# Allegro board com_v1_p3.brd (continued)
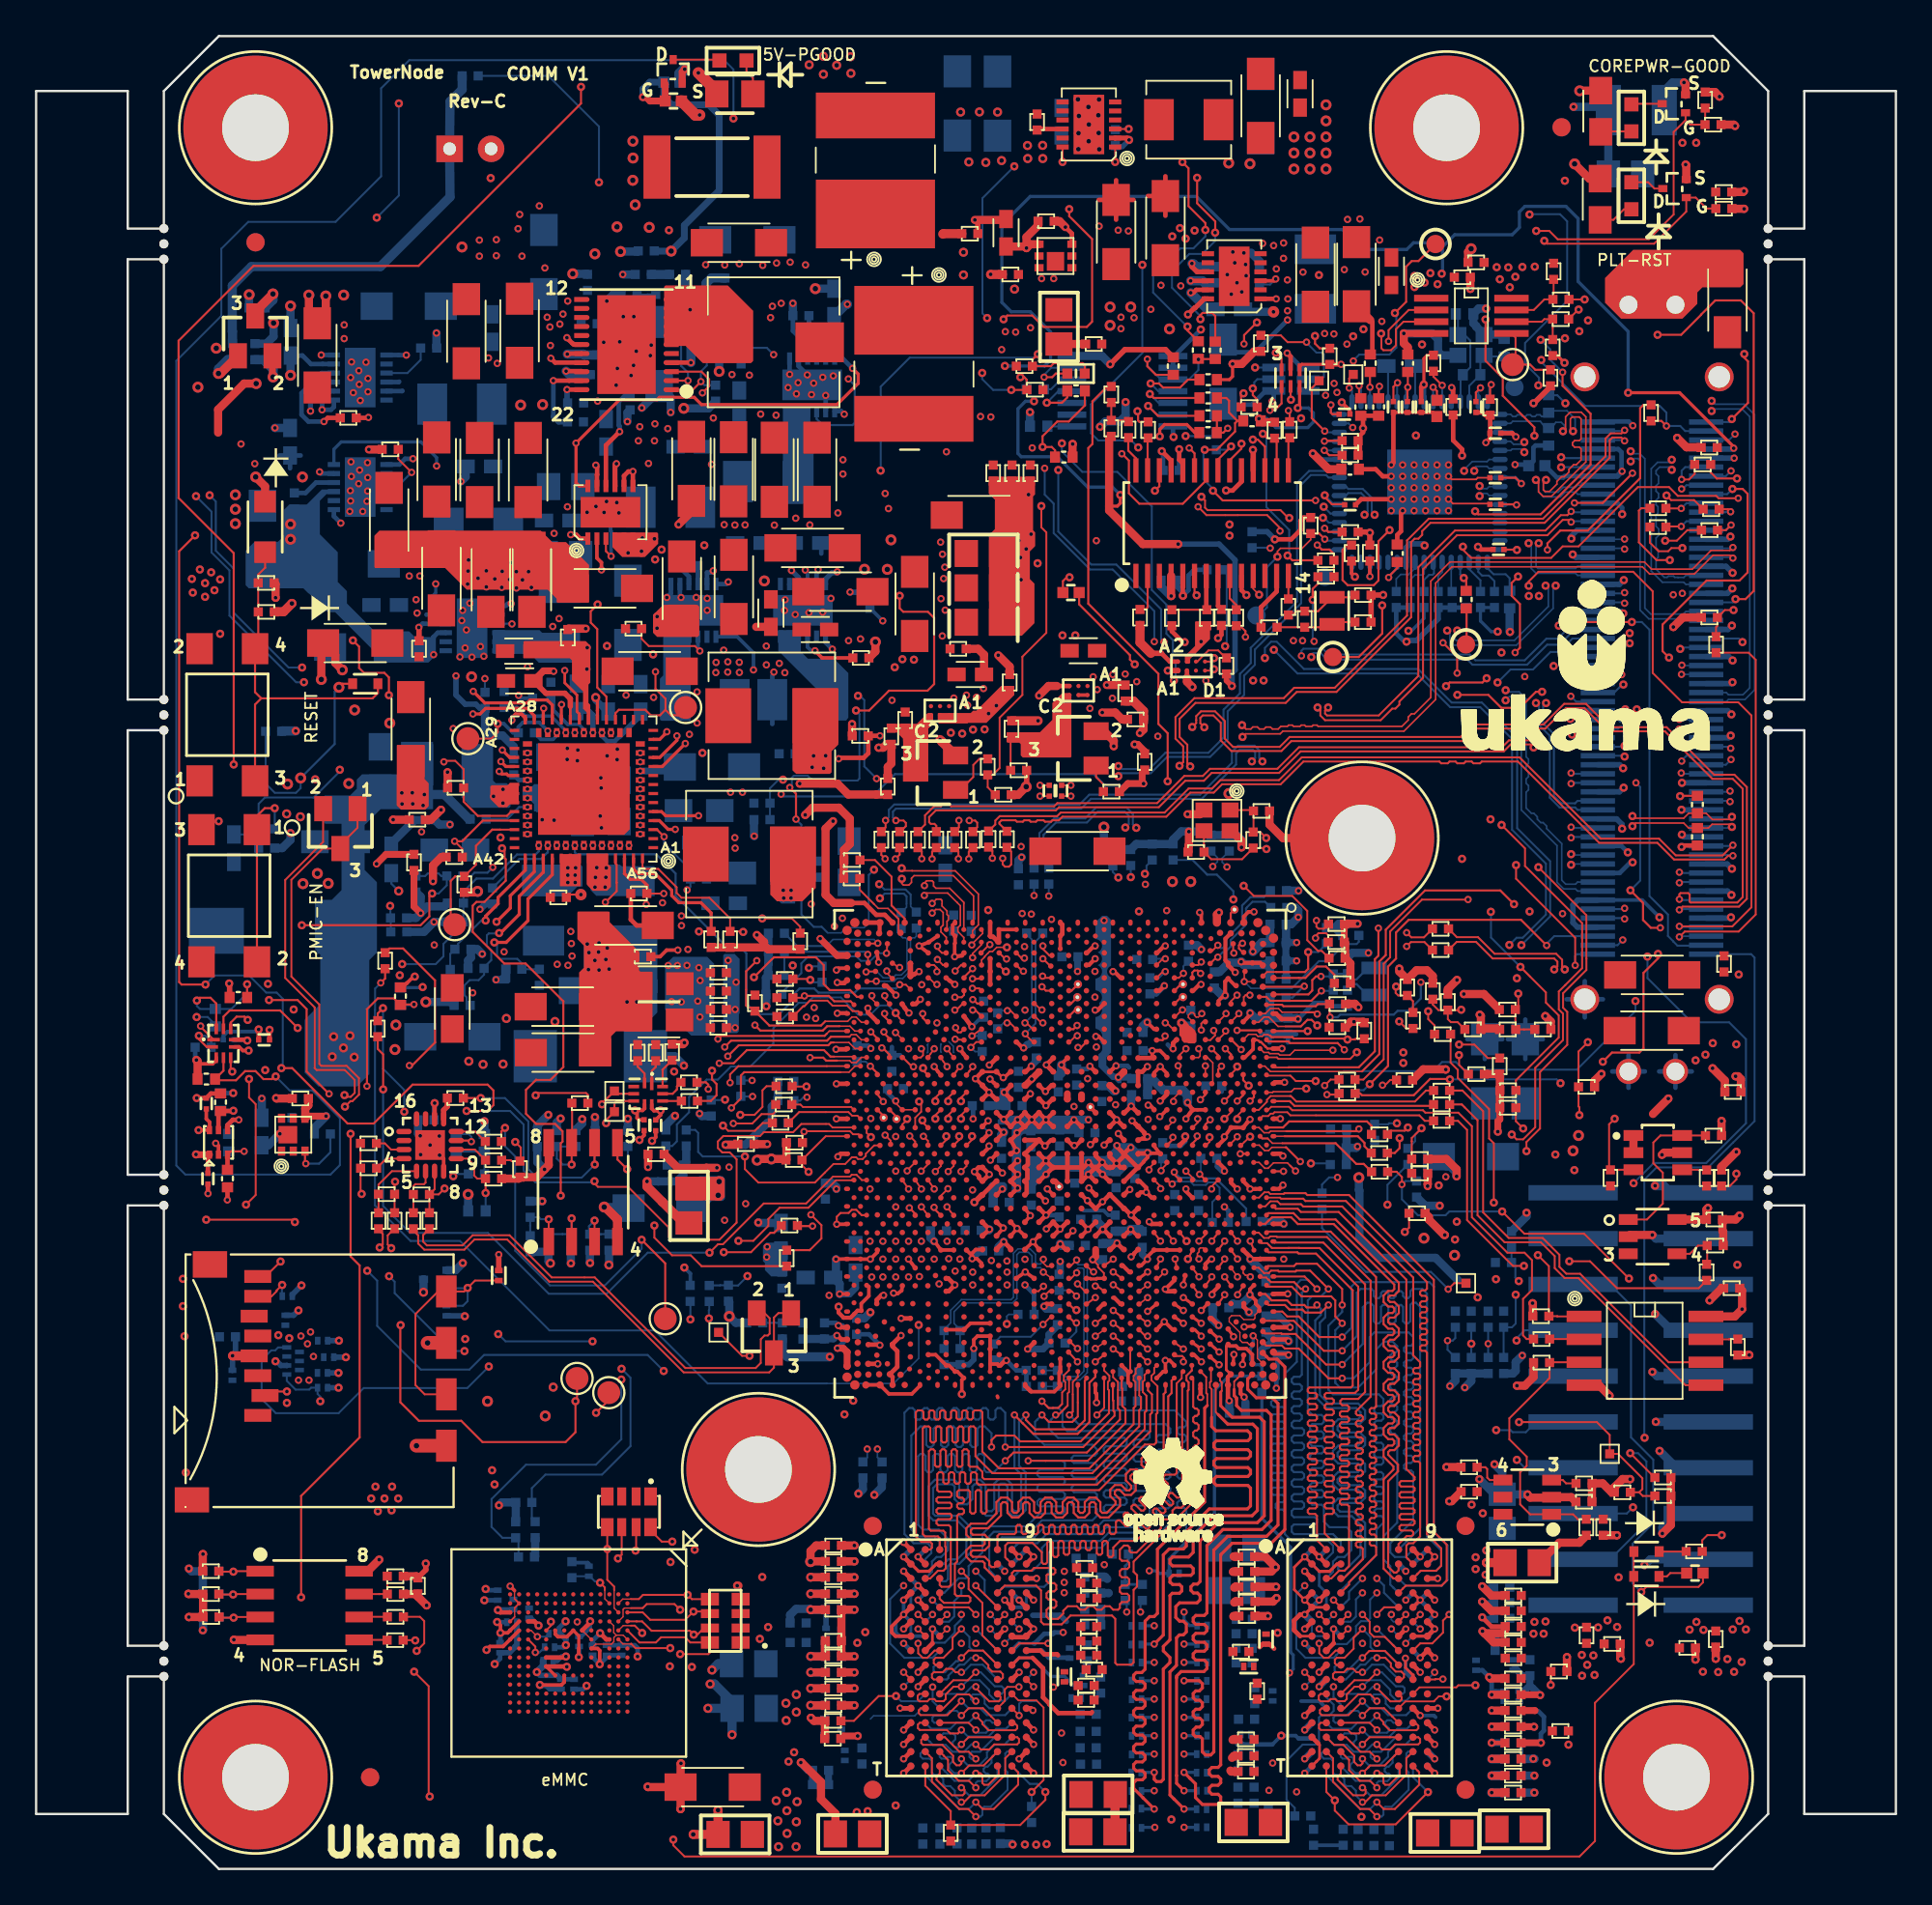
[diagram p0: board, top side]
## Routing (per net, layer and track width the routed paths; a pad name or vN(x,y) marks a point on that pad's centre or on a via; arc(x,y) is an arc through that point) (continued)
FPGA_SOC_IO_6_1P8: length 173.3
  TOP w0.119: v1(14.69,15.06) 14.69,20.68 17.93,23.92 17.93,33.45 17.43,33.95 v1(17.43,40.75) ; R2A22.2 18.93,47.43 v1(19.22,47.71)
  L3_SIG1 w0.102: v1(14.69,15.06) 29.03,0.71 82.16,0.71 84.8,3.35 84.8,5.64 89.96,10.8 89.96,17.3 87.74,19.52 87.74,23.46 88.18,23.9 v1(89.13,23.9)
  L8_SIG4 w0.102: v1(20.4,41.97) 19.18,40.75 v1(17.43,40.75)
  BOTTOM w0.109: v1(20.4,41.97) 20.4,43.18 19.22,44.36 v1(19.22,47.71) ; v1(89.13,23.9) 89.12,23.92 89.12,38.21 89.8,38.89 92.66,38.89 94.03,40.26 94.04,40.26 95.23,41.45 95.23,50.52 95.04,50.71 J20.61
GPIO9_VDDSEL: length 19.9
  L8_SIG4 w0.102: v3(31.85,62.99) 31.85,62.59 30.09,60.83 30.09,58.75 28.83,57.49 28.03,57.49 25.52,54.98 25.52,54.09 25.12,53.7 23.89,53.7 22.27,55.31 21.19,55.31 v4(20.09,54.21)
  BOTTOM w0.109: R10806.1 19.68,54.62
  BOTTOM w0.119: 19.68,54.62 v4(20.09,54.21)
HDA_RCOMP: length 10.7
  TOP w0.119: v2(46.94,42.54) 46.62,42.94 U3C1.BF20
  L5_SIG2 w0.119: v2(46.94,42.54) 43.22,42.54 42.63,41.95 39.48,41.95 38.79,42.64 v1(38.18,42.64)
  BOTTOM w0.109: R3N16.1 38.16,42.62
  BOTTOM w0.119: 38.16,42.62 v1(38.18,42.64)
HDMI2_SMB_SOC_DAT: length 25.6
  TOP w0.102: v2(62.32,37.71) 62.29,37.85 62.13,38.02 U3C1.P30
  L8_SIG4 w0.102: v2(62.32,37.71) 63.92,36.11 69.29,36.11 69.36,36.04 72.2,36.04 77.24,31 77.24,29.15 77.86,28.53 79.88,28.53 v2(80.47,29.11)
  BOTTOM w0.109: R1A9.1 v2(80.47,29.11) R1A2.2
HDMI_CLK_DN: length 73.2
  TOP w0.089: v2(51.85,51.22) 51.87,51.24 51.87,51.28 52.45,51.86 52.45,52 U3C1.AP2
  L3_SIG1 w0.086: 53.42,53.49 53.42,52.45 53.02,52.05 52.74,52.05 52.28,51.59 52.28,51.17 52.14,51.03 52.02,51.03 51.87,51.18 51.87,51.2 v2(51.85,51.22)
  L3_SIG1 w0.088: 53.42,53.49 53.42,54.05 52.37,55.09 52.37,55.76 52.36,55.77 52.36,56.29 52.37,56.29 52.37,60.75 54.88,63.26 54.88,67.32 56.75,69.19 58.15,69.19 60.85,71.89 66.51,71.89 67.76,73.14 67.76,74.49 70.7,77.43 72.59,77.43 75.28,80.12 83.57,80.12 85.28,78.41 88.2,78.41 88.36,78.58 v1(88.36,78.59)
  BOTTOM w0.091: J20.99 91.42,69.71 91.28,69.56 89.48,69.56 89.15,69.89 89.15,78.17 88.87,78.45 88.49,78.45 88.4,78.54 88.4,78.55 v1(88.36,78.59)
HDMI_CLK_DP: length 73.1
  TOP w0.089: v2(51.89,50.51) 51.89,50.74 52.38,51.23 U3C1.AP3
  L3_SIG1 w0.086: v2(51.89,50.51) 51.89,50.74 52,50.85 52.23,50.85 52.46,51.09 52.46,51.51 52.81,51.86 53.09,51.86 53.67,52.44 53.67,53.49
  L3_SIG1 w0.088: 53.67,53.49 53.67,54.15 52.62,55.2 52.62,55.87 52.62,55.87 52.62,56.18 52.62,56.19 52.62,60.65 55.13,63.16 55.13,67.21 56.85,68.94 58.25,68.94 60.95,71.64 66.62,71.64 68.01,73.03 68.01,74.38 70.8,77.18 72.7,77.18 75.38,79.86 83.47,79.86 84.92,78.41 85.17,78.16 88.22,78.16 88.35,78.03 v1(88.36,78.03)
  BOTTOM w0.091: v1(88.36,78.03) 88.37,78.03 88.53,78.18 88.76,78.18 88.88,78.06 88.88,69.78 89.04,69.63 89.37,69.29 89.59,69.29 91.34,69.29 91.42,69.21 J20.98
HDMI_DATA0_DN: length 79.8
  TOP w0.091: v1(47.97,54.89) 47.97,54.63 48.06,54.54 48.37,54.54 48.51,54.69 48.51,54.92 48.65,55.06 50.82,55.06 51.95,53.93 51.95,52.51 U3C1.AR1
  L3_SIG1 w0.088: v1(88.31,67.94) 88.49,68.12 91.26,68.12 91.81,67.57 91.81,66.91 91.62,66.73 v2(91.2,66.73)
  L8_SIG4 w0.088: v1(88.31,67.94) 88.14,68.1 87.91,68.1 87.5,68.51 87.37,68.51 87.19,68.69 87.19,68.83 86.91,69.1 86.91,69.62 86.82,69.72 86.82,69.97 86.91,70.07 86.91,70.33 86.82,70.42 86.82,70.68 86.91,70.77 86.91,71.03 86.82,71.12 86.82,71.38 86.91,71.47 86.91,71.73 86.82,71.82 86.82,72.08 86.91,72.18 86.91,72.87 86.81,72.98 86.81,73.22 86.91,73.33 86.91,73.65 86.8,73.76 86.8,74 86.91,74.11 86.91,74.35 86.8,74.46 86.8,74.7 86.91,74.81 86.91,75.05 86.82,75.15 86.82,75.41 86.91,75.5 86.91,75.76 86.82,75.85 86.82,76.11 86.91,76.2 86.91,76.46 86.85,76.52 86.85,76.83 86.91,76.9 86.91,77.16 86.82,77.25 86.82,77.51 86.91,77.6 86.91,78.7 85.03,80.59 72.99,80.59 72.56,80.16 71.12,80.16 63.25,72.28 62.94,72.28 57.38,66.72 56.54,66.72 55.15,65.33 55.15,64.28 50.18,59.31 50.18,57.11 50.46,56.83 50.46,55.61 49.88,55.03 48.57,55.03 48.46,54.92 48.46,54.6 48.35,54.49 48.05,54.49 47.97,54.57 v1(47.97,54.89)
  BOTTOM w0.091: v2(91.2,66.73) 91.22,66.71 J20.93
HDMI_DATA0_DP: length 79.8
  TOP w0.086: 52.09,52.2 51.9,52.01 U3C1.AR3
  TOP w0.091: v1(47.97,55.47) 48.11,55.33 48.54,55.33 48.54,55.33 50.93,55.33 52.22,54.04 52.22,52.33 52.09,52.2
  L3_SIG1 w0.088: v2(91.18,66.22) 91.47,66.22 92.06,66.81 92.06,67.68 91.36,68.38 88.43,68.38 v1(88.31,68.5)
  L8_SIG4 w0.088: v1(88.31,68.5) 88.16,68.36 88.02,68.36 87.16,69.22 87.16,78.8 85.13,80.83 72.88,80.83 72.46,80.41 71.02,80.41 63.14,72.54 62.84,72.54 57.27,66.97 56.44,66.97 54.9,65.43 54.9,64.37 49.93,59.4 49.93,57.01 50.21,56.73 50.21,55.72 49.78,55.28 48.46,55.28 48.46,55.29 48.15,55.29 v1(47.97,55.47)
  BOTTOM w0.091: v2(91.18,66.22) 92.53,66.22 J20.92
HDMI_DATA1_DN: length 66
  TOP w0.091: U3C1.AT3 51.41,51.63 51.08,51.96 51.08,52.18 51.2,52.3 51.2,52.31 51.22,52.33 51.22,53.39 51.04,53.57 50.51,54.1 49.35,54.1 v2(49.22,53.96)
  L8_SIG4 w0.088: v2(49.22,53.96) 49.37,54.11 51.23,54.11 52.28,55.16 52.43,55.31 52.43,57.03 51.92,57.54 51.01,57.54 50.71,57.84 50.71,58.52 54.94,62.75 55.54,62.75 56.83,64.03 56.83,65.15 63.1,71.42 65.4,71.42 71.13,77.15 72.84,77.15 74.45,78.75 79.73,78.75 80.62,77.86 80.62,77.18 81.35,76.45 81.35,72.4 81.67,72.08 82.88,72.08 83.11,72.32 83.11,73.34 v1(83.27,73.49)
  BOTTOM w0.091: J20.44 85.42,72.21 85.31,72.09 83.23,72.09 83.12,72.2 83.12,73.34 v1(83.27,73.49)
HDMI_DATA1_DP: length 65.9
  TOP w0.091: U3C1.AT2 51.41,53.51 51.41,53.58 50.62,54.36 49.86,54.36 49.73,54.49 49.73,54.7 49.66,54.77 49.35,54.77 49.23,54.66 v2(49.23,54.51)
  L8_SIG4 w0.088: v1(82.71,73.49) 82.86,73.34 82.86,72.42 82.77,72.33 81.78,72.33 81.61,72.5 81.61,76.55 80.88,77.28 80.88,77.97 79.83,79.01 74.35,79.01 72.74,77.4 71.03,77.4 65.3,71.67 62.99,71.67 56.58,65.26 56.58,64.14 55.46,63.02 54.86,63.02 50.45,58.62 50.45,57.74 50.9,57.29 51.82,57.29 52.18,56.93 52.18,55.41 51.13,54.37 49.37,54.37 v2(49.23,54.51)
  BOTTOM w0.091: J20.43 85.42,71.71 85.31,71.82 83.12,71.82 82.85,72.09 82.85,73.34 v1(82.71,73.49)
HDMI_DATA2_DN: length 78.7
  TOP w0.086: 50.2,53.38 50.2,53.49
  TOP w0.091: v2(49.65,53.52) 49.88,53.75 50.13,53.75 50.2,53.68 50.2,53.49 ; U3C1.AV2 50.48,52.11 50.48,52.53 50.55,52.6 50.55,52.84 50.48,52.91 50.48,53.1 50.2,53.38
  L3_SIG1 w0.088: v2(49.65,53.52) 49.49,53.36 48.82,53.36 48.69,53.5 48.69,53.71 48.75,53.77 48.75,54 48.69,54.06 48.69,54.32 48.76,54.39 48.76,54.68 48.69,54.75 48.69,55.02 48.75,55.08 48.75,55.29 48.69,55.35 48.69,55.55 48.75,55.61 48.75,55.82 48.69,55.88 48.69,56.36 52.09,59.77 52.09,61.01 54.55,63.47 54.55,67.51 56.77,69.73 58.14,69.73 60.61,72.21 66.3,72.21 67.4,73.3 67.4,74.66 70.51,77.77 72.37,77.77 75.04,80.44 90.63,80.44 92.04,79.04 92.04,72.68 91.38,72.03 90.44,72.03 88.91,73.56 88.7,73.56 88.59,73.67 88.59,73.97 88.44,74.12 87.73,74.12 87.64,74.03 87.64,73.76 87.69,73.72 88.02,73.72 v2(88.03,73.72)
  BOTTOM w0.091: J20.47 88.01,73.71 v2(88.03,73.72)
HDMI_DATA2_DP: length 78.8
  TOP w0.091: v2(49.65,52.99) 49.85,53.19 50.09,53.19 50.26,53.01 50.26,52.32 50.14,52.2 50.14,51.95 50.44,51.65 U3C1.AV3
  L3_SIG1 w0.088: v2(49.65,52.99) 49.47,53.17 48.74,53.17 48.43,53.48 48.43,56.47 51.84,59.87 51.84,61.12 54.29,63.58 54.29,67.62 56.66,69.99 58.03,69.99 60.51,72.46 66.2,72.46 67.15,73.41 67.15,74.77 70.4,78.02 72.27,78.02 74.94,80.7 90.74,80.7 92.29,79.14 92.29,72.58 91.49,71.77 90.33,71.77 88.8,73.31 88.17,73.31 v2(88.03,73.16)
  BOTTOM w0.091: J20.46 87.98,73.21 v2(88.03,73.16)
HDMI_SMB_SOC_CLK: length 67.3
  TOP w0.089: 69.5,38.98 69.34,39.14 68.57,39.14 68.27,38.84 68.09,38.84 67.77,39.16 U3C1.C28
  TOP w0.119: v2(69.79,38.69) 69.5,38.98
  L3_SIG1 w0.102: v1(79.88,31.68) 81.11,30.46 85.08,30.46 86.83,32.2 86.83,41.89 86.01,42.71 86.01,45.04 87.37,46.41 89.69,46.41 94.84,51.56 94.84,67.73 v1(94.56,68.01)
  L8_SIG4 w0.102: v1(79.88,31.68) 77.9,31.68 76.68,32.91 73.49,36.1
  L8_SIG4 w0.119: 73.49,36.1 71.65,37.94 70.54,37.94 v2(69.79,38.69)
  BOTTOM w0.109: J20.96 94.36,68.21 v1(94.56,68.01)
HDMI_SMB_SOC_DAT: length 87.1
  TOP w0.089: 69.24,40 68.48,40 68.3,39.82 68.08,39.82 67.78,40.12 U3C1.C26
  TOP w0.119: v2(70.06,39.21) 69.27,40 69.24,40
  L8_SIG4 w0.086: 69.51,39.21 69.43,39.13 69.09,39.13 68.75,38.79 68.75,37.5 69.51,36.74
  L8_SIG4 w0.102: 69.51,39.21 v2(70.06,39.21) ; v1(91.11,67.63) 91.11,67.54 92.4,66.25 92.4,51.79 89.43,48.82 89.43,42.29 91.01,40.72 91.01,28.26 84.56,21.8 82.16,21.8 80.34,23.62 80.34,25.98 80.88,26.51 80.88,29.36 80.66,29.58 79.99,29.58 v1(79.53,29.11) 79.53,29.61 72.4,36.74 69.51,36.74
  BOTTOM w0.109: J20.95 91.18,67.71 v1(91.11,67.63) ; R1A1.2 v1(79.53,29.11) R1A8.1
I2C_CB_INT_3P3: length 73.8
  TOP w0.119: R618.2 58.12,81.13 57.22,80.24 56.59,80.24 55.77,79.42 v1(55.77,78.82) 56.28,78.82 56.46,78.64 R620.1 ; v1(57.25,92.01) 57.25,91.62 58.52,90.35 58.52,85.77 58.22,85.48 55.83,85.48 55.2,86.11 53.82,86.11 v1(53.61,85.9)
  L3_SIG1 w0.102: v1(53.61,85.9) 52.91,85.2 52.91,81.68 v1(55.77,78.82)
  L5_SIG2 w0.099: v2(93.92,77.5) 92.43,78.99 92.43,80.72 86.86,86.28 86.86,89.61 84.04,92.43 57.68,92.43 v1(57.25,92.01)
  BOTTOM w0.109: v2(93.92,77.5) 93.63,77.21 J20.114
I2C_MASTER_SEL_1P8: length 22.1
  TOP w0.119: R2A21.2 19.57,51.02 20.34,51.02 22.11,49.25 22.11,45.81 20.83,44.53 v2(20.69,44.53) ; U9004.9 10.38,47.24 10.73,47.59 13.52,47.59 v1(14.49,46.62)
  L3_SIG1 w0.102: v2(20.69,44.53) 15.25,44.53 14.49,45.29 v1(14.49,46.62)
I2C_MASTER_SEL_3P3: length 242.2
  TOP w0.119: U9004.4 10.38,44.25 R11506.2 9.99,43.72 11.07,43.72 11.58,44.23 12.16,44.23 12.6,43.78 13.07,43.78 13.21,43.93 v1(13.28,43.93) ; v1(88.35,54.25) 89.05,53.55 89.05,52.6 89.48,52.17 v2(90,52.17) ; v1(64.34,93.74) 64.34,92.33 65.34,91.33 65.34,90.71 v1(65.34,90.71) ; R619.2 65.34,86.08 65.17,86.26 64.64,86.26 64.52,86.14 v1(64.52,85.91)
  L3_SIG1 w0.102: v2(88.66,60.21) 88.41,60.45 86.76,60.45 86.17,61.04 86.17,64.78 v1(85.15,65.79)
  L5_SIG2 w0.099: v1(64.34,93.74) 65.37,92.71 86.68,92.71 93.87,85.52 93.87,83.77 94.73,82.91 94.73,68.88 94.07,68.22 94.07,67.72 94.64,67.16 94.64,55.37 91.99,52.73 90.57,52.73 v2(90,52.17)
  L8_SIG4 w0.102: v1(38.64,97.03) 38.64,94.93 39.97,93.61 64.15,93.61 64.29,93.74 v1(64.34,93.74)
  BOTTOM w0.109: v1(85.15,65.79) 85.24,65.71 J20.31 ; v1(64.52,85.91) 64.52,86.08 62.94,87.65 62.94,88.56 63.9,89.52 64.62,89.52 65.34,90.24 v1(65.34,90.71) ; v1(88.35,54.25) 88.89,54.79 88.89,59.97 v2(88.66,60.21) ; v1(38.64,97.03) 38.64,99.75 38.13,100.27 20.68,100.27 19.12,98.7 19.12,93.83 16.59,91.3 11.75,91.3 10.26,89.81 10.26,86.09 7.77,83.6 7.77,38.99 8.27,38.49 16.32,38.49 16.32,38.5 16.84,39.01 16.84,41.62 15.3,43.16 14.05,43.16 v1(13.28,43.93)
I2C_MB_INT_3P3: length 195.1
  TOP w0.119: v1(10.87,44.2) 10.78,44.29 U9004.5
  L5_SIG2 w0.099: v1(10.87,44.2) 12.61,44.2 v1(12.7,44.28)
  L8_SIG4 w0.102: v2(91.18,76.5) 91.77,75.91 93.79,75.91 94.35,75.35 95.18,74.52 95.18,30.7 94.12,29.64 94.12,18.2 89.84,13.92 89.84,10.29 87.02,7.47 87.02,3.23 84.64,0.85 84.64,0.85 84.49,0.7 35.29,0.7 30.23,5.75 29.39,5.75 23.34,11.8 23.34,19.3 19.91,22.73 13.43,22.73 11.65,24.51 11.65,35.05 12.79,36.2 12.79,41 12.03,41.76 12.03,43.05 12.7,43.72 v1(12.7,44.28)
  BOTTOM w0.109: v2(91.18,76.5) 91.24,76.5 91.45,76.71 J20.113
ICLKICOMP: length 11.6
  TOP w0.102: U3C1.AD14 57.27,45.84 57.62,46.19 v2(57.7,46.19)
  L8_SIG4 w0.086: v2(57.7,46.19) 57.71,46.19 58.47,46.95 58.93,46.95 59.34,47.36 59.34,48.74 60.02,49.42 60.02,51.89 60.3,52.16 60.3,53.49
  L8_SIG4 w0.102: v1(59.97,54.96) 60.3,54.63 60.3,53.49
  BOTTOM w0.109: R2M34.1 59.66,55.59 59.66,55.27 v1(59.97,54.96)
ICLKRCOMP: length 14.3
  TOP w0.119: v2(57.69,46.76) 57.48,46.55 U3C1.AD13
  L8_SIG4 w0.086: 60.05,52.2 60.05,53.49
  L8_SIG4 w0.102: 60.05,53.49 59.43,54.11 59.43,55.48 59.75,55.8 61.06,55.8 61.44,55.43 v1(61.44,55.16)
  L8_SIG4 w0.119: 60.05,52.2 59.22,51.37 59.22,49.67 58.92,49.37 58.38,49.37 58.17,49.15 58.17,47.24 v2(57.69,46.76)
  BOTTOM w0.109: R2M32.1 61.53,55.61 61.53,55.25 v1(61.44,55.16)
INVEN_EEPROM_WP: length 54.6
  TOP w0.109: TP139.1 29.98,26.02 v1(29.89,25.93) ; v1(29.68,39.05) U304.7 29.7,40.28 29.7,41.99 29.69,42 R3B19.1
  TOP w0.119: v2(11.53,39.78) 11.53,39.78 10.79,39.78 U9005.3 ; v1(29.89,25.93) 29.89,24.21 29.34,23.66 24.74,23.66 23.56,24.84 21.21,24.84 20.18,25.87 20.18,30.13 v1(20.2,30.15)
  TOP w0.254: U9005.3 10.61,39.59 R11495.1
  L3_SIG1 w0.102: v1(20.2,30.15) 19.78,30.57 19.78,30.91 18.96,31.73 17.29,31.73 13.56,35.46 13.56,37.75 v2(11.53,39.78)
  L8_SIG4 w0.102: v1(29.89,25.93) 30.2,26.24 30.2,38.52 v1(29.68,39.05)
  BOTTOM w0.109: R11493.2 11.25,39.78 11.25,39.78 11.53,39.78 v2(11.53,39.78) ; R11221.1 28.86,40.04 R11222.2 28.85,39.38 29.19,39.04 29.68,39.04 v1(29.68,39.05)
JTAG_SYSTEM_RESET_N_SW: length 24.9
  TOP w0.109: v1(88.95,15.35) 89.23,15.63 92.12,15.63 92.37,15.88 R11487.1
  BOTTOM w0.109: v1(88.95,15.35) 88.48,15.83 88.48,18.03 89.61,19.17 89.61,22.69 88.38,23.92 88.38,31.24 87.22,32.4 J3321.15
L_JTAG_DEBUGGER_PRDY: length 10.6
  TOP w0.109: TP3B7.1 78.58,32.47 v2(78.25,32.14)
  BOTTOM w0.109: R11021.1 71.26,35.52 73.69,33.09 77.29,33.09 v2(78.25,32.14)
L_JTAG_DEBUGGER_PREQ: length 37.3
  TOP w0.109: R11024.1 89.04,20.67 88.83,20.88 ; 88.83,20.88 R11023.2 ; 88.83,20.88 89.01,21.06 89.01,21.66 87.66,23.01 TP3B8.1 87.2,24.05 86.49,24.77 v1(82.17,24.77) ; R11022.1 78.38,44.69 78.78,44.29 78.78,43.85 80.52,42.12 80.52,40.49 80.78,40.23 v1(80.78,36.94)
  L5_SIG2 w0.099: v1(80.78,36.94) 83,36.94 84.42,35.51 84.42,27.02 v1(82.17,24.77)
LAN_LED0: length 26
  TOP w0.119: v2(90.34,79.99) 90.06,80.27 R2A24.2
  L6_SIG3 w0.099: v2(72.96,79.9) 72.96,80.43 73.28,80.74 74.08,80.74 74.89,81.55 74.89,82.55 75.12,82.78 82.54,82.78 v1(83.41,83.65)
  BOTTOM w0.109: J20.119 91.39,79.71 91.11,79.99 v2(90.34,79.99) 90.34,80.73 89.97,81.1 85.85,81.1 83.41,83.53 v1(83.41,83.65) ; U2M2.31 72.73,80.13 v2(72.96,79.9)
LAN_LED1: length 4.1
  TOP w0.119: v2(71.41,79.7) 70.69,80.42 70.69,82.08 TP3B9.1
  BOTTOM w0.109: U2M2.30 71.48,79.63 v2(71.41,79.7)
LAN_LED2: length 1.7
  TOP w0.119: v2(72.77,82.09) 72.77,82.62 TP3B10.1
  BOTTOM w0.109: v2(72.77,82.09) 72.92,81.94 U2M2.33
LAN_NC_SI_ARB_IN: length 1.9
  TOP w0.119: v2(77.92,82.24) 77.43,82.72 R2M46.2
  BOTTOM w0.109: U2M2.43 v2(77.92,82.24)
LAN_NC_SI_ARB_OUT: length 1.5
  TOP w0.254: v2(78.44,82.12) 78.53,82.03 R2M37.2
  BOTTOM w0.109: v2(78.44,82.12) 78.42,82.09 U2M2.44
LAN_NC_SI_CLK_IN: length 2.2
  BOTTOM w0.109: R2M24.1 80.81,71.38 80.5,71.69 80.13,71.69 79.92,71.9 U2M2.2
LAN_NC_SI_CRS_DV: length 1.9
  BOTTOM w0.109: U2M2.3 79.42,72.05 80.04,71.43 R2M30.1
LAN_NC_SI_RXD0: length 1.7
  BOTTOM w0.091: R2M57.2 77.69,71.65 77.92,71.88 77.92,72.43 U2M2.6
LAN_NC_SI_RXD1: length 1.6
  BOTTOM w0.091: U2M2.5 78.42,70.87 R2M47.2
LAN_NC_SI_TX_EN: length 2
  BOTTOM w0.109: U2M2.7 77.46,72.39 77.46,71.81 77.38,71.74 77.19,71.74 76.91,71.46 R2M58.1
LAN_NC_SI_TXD0: length 2.3
  BOTTOM w0.091: U2M2.9 76.42,72.11 76.06,71.76 75.62,71.76 75.37,71.51 R2M56.2
LAN_NC_SI_TXD1: length 2.2
  BOTTOM w0.091: R2M28.2 76.14,71.46 76.41,71.73 76.84,71.73 76.92,71.8 U2M2.8
LAN_PCIE_CLKREQ1B: length 47.7
  TOP w0.102: U3C1.BD7 47.14,49.67 v2(47.14,49.77)
  TOP w0.109: v1(75.37,48.91) 75.34,48.89 75.34,48.56 75.48,48.42 R3B11.1 76.3,48.1 R3B9.1
  L5_SIG2 w0.099: v1(75.41,41.33) 76.32,42.24 76.32,47.96 v1(75.37,48.91)
  L6_SIG3 w0.086: 69.51,45.83 69.24,46.1 63.13,46.1 62.84,45.8 60.41,45.8 59.69,46.52 59.69,48.04 58.28,49.46 58.28,50.36 57.09,51.54 53.5,51.54 53.3,51.35 53.3,51.11 53.06,50.87 51.48,50.87 51.43,50.92 50.41,50.92 50.26,50.77 47.74,50.77 47.14,50.17 v2(47.14,49.77)
  L6_SIG3 w0.099: v1(75.37,48.91) 75.37,47.97 73.83,46.43 72,46.43 71.22,45.64 69.7,45.64 69.51,45.83
  BOTTOM w0.109: v1(75.41,41.33) 74.97,41.33 74.92,41.28 R2N2.2
LAN_XTALIN: length 4
  BOTTOM w0.109: U2M2.46 79.42,82.21 R2M29.2 80.03,83.69 Y2M3.1 80.3,83.84 C2M11.2
LAN_XTALOUT: length 5.6
  BOTTOM w0.109: C2M23.2 78.79,86.08 Y2M3.3 79.14,85.05 79.48,84.72 79.48,83.24 R2M29.1 78.94,82.7 78.94,81.35 U2M2.45
M_A_A0: length 66.8
  TOP w0.109: U27.N3 73.9,8.1 v2(74.3,7.7) ; v2(52.07,7.7) 51.67,8.1 U37.N3
  TOP w0.173: U3C1.K45 v2(64.57,30.25)
  L3_SIG1 w0.102: 63.9,27.87 63.9,27.94 63.93,27.97 63.93,28.26 63.93,29.61 v2(64.57,30.25)
  L3_SIG1 w0.157: 63.9,27.87 63.74,27.7 63.74,25.13 64.5,24.36 64.5,24.09 64.36,23.94 63.88,23.94 63.74,23.8 63.74,23.59 63.88,23.44 64.36,23.44 64.5,23.3 64.5,23.09 64.36,22.95 63.88,22.95 63.74,22.8 63.74,22.6 63.88,22.45 64.36,22.45 64.5,22.31 64.5,22.1 64.36,21.96 63.88,21.96 63.74,21.81 63.74,21.61 63.88,21.46 64.36,21.46 64.5,21.32 64.5,21.11 64.36,20.97 63.88,20.97 63.74,20.82 63.74,20.62 63.88,20.47 64.36,20.47 64.5,20.33 64.5,20.12 64.36,19.98 63.88,19.98 63.74,19.83 63.74,19.63 63.88,19.48 64.36,19.48 64.5,19.34 64.5,19.13 64.36,18.99 63.88,18.99 63.74,18.84 63.74,18.64 63.88,18.49 64.36,18.49 64.5,18.35 64.5,18.14 64.36,18 63.88,18 63.74,17.85 63.74,17.65 63.88,17.5 64.36,17.5 64.5,17.36 64.5,17.15 64.36,17.01 63.63,17.01 63.1,16.48 63.1,8.91 63.24,8.78 v2(63.61,8.4)
  L7_PWR2 w0.157: v2(74.3,7.7) 73.9,7.3 73.9,7.3 73.22,7.3 72.38,8.15 71.44,8.15 70.6,7.3 69.71,7.3 69.18,7.82 65.97,7.82 65.52,8.27 65.14,8.27 64.63,7.77 64.24,7.77 v2(63.61,8.4) 63.1,7.89 60.82,7.89 59.92,7 56.3,7 55.99,7.3 52.48,7.3 v2(52.07,7.7)
  BOTTOM w0.109: v2(52.07,7.7) 52.23,7.55 52.64,7.55 52.74,7.65 52.74,7.8 52.54,7.99 52.54,8.14 52.64,8.24 52.85,8.24 52.99,8.1 U30.N3 ; U24.N3 75.5,8.1 75.21,8.1 75.08,8.24 74.86,8.24 74.76,8.14 74.76,7.99 74.96,7.8 74.96,7.65 74.86,7.55 74.45,7.55 v2(74.3,7.7)
  BOTTOM w0.173: v2(63.61,8.4) 64.31,8.4 R11247.1
M_A_A1: length 67.5
  TOP w0.109: U37.P7 51.67,7.3 v2(51.27,6.9) ; v2(73.5,6.9) 73.9,7.3 75.03,7.3 U27.P7
  TOP w0.173: v2(65.56,29.37) U3C1.H47
  L3_SIG1 w0.102: v2(65.56,29.37) 65.19,29.01 65.19,28.52 65.2,28.51 65.41,28.3 65.7,28.3 65.91,28.09 65.91,27.69
  L3_SIG1 w0.157: 65.91,27.69 66.15,27.45 66.15,26.56 65.71,26.12 65.71,25.73 66.66,24.78 66.66,17.8 66.02,17.16 66.02,16.75 66.41,16.36 66.41,15.93 66.02,15.55 66.02,15.23 66.66,14.58 66.66,13.99 66.02,13.35 66.02,12.94 66.41,12.55 66.41,11.87 66.02,11.48 66.02,11.16 66.66,10.52 66.66,9.67 66.02,9.03 66.02,8.62 66.41,8.23 66.41,7.93 65.14,6.66 65.14,5.86 64.76,5.48 64.12,5.48 63.86,5.74 63.81,5.74 63.78,5.76 63.44,5.76 63.42,5.74 63.11,5.74 62.34,4.97 62.15,4.97 62.13,4.94 61.79,4.94 61.55,5.18 61.55,5.96 v2(61.96,6.37)
  L4_PWR1 w0.157: v2(51.27,6.9) 51.67,6.5 52.21,6.5 52.58,6.88 53.08,6.88 53.45,6.5 53.83,6.5 54.21,6.88 54.72,6.88 55.1,6.5 55.6,6.5 55.74,6.37 57.39,6.37 57.77,6.75 58.28,6.75 58.66,6.37 59.93,6.37 60.31,6.75 60.95,6.75 61.33,6.37 v2(61.96,6.37) 62.6,6.37 63.1,5.86 65.01,5.86 65.65,6.5 70.6,6.5 71,6.9 v2(73.5,6.9)
  BOTTOM w0.109: v2(73.5,6.9) 73.35,6.75 73.14,6.75 73.02,6.87 73.02,7.04 73.16,7.18 73.16,7.38 73.04,7.51 72.51,7.51 U24.P7 ; U30.P7 50.28,7.51 50.81,7.51 50.94,7.38 50.94,7.18 50.79,7.04 50.79,6.87 50.91,6.75 51.12,6.75 v2(51.27,6.9)
  BOTTOM w0.173: v2(61.96,6.37) 61.28,6.37 R11238.1
M_A_A2: length 67.9
  TOP w0.109: U37.P3 50.36,7.3 51.17,6.5 51.68,6.5 v2(52.07,6.1) ; U27.P3 72.58,7.3 73.39,6.5 73.91,6.5 v2(74.3,6.1)
  TOP w0.173: v2(63.58,32.38) 63.67,32.89 U3C1.L41
  L3_SIG1 w0.102: v2(63.58,32.38) 63.14,31.94 62.93,31.73 62.93,28.04 62.93,28.04 62.93,27.58
  L3_SIG1 w0.157: v2(63.61,6.37) 62.84,6.37 62.6,6.37 62.09,6.88 60.96,6.88 60.56,7.28 60.56,12.97 61.81,14.22 61.81,14.27 62.28,14.74 62.28,17.83 62.93,18.48 62.93,18.68 62.78,18.83 62.23,18.83 62.09,18.97 62.09,19.18 62.23,19.32 62.78,19.32 62.93,19.47 62.93,19.67 62.78,19.82 62.23,19.82 62.09,19.96 62.09,20.17 62.93,21.01 62.93,27.58
  L7_PWR2 w0.157: v2(52.07,6.1) 52.48,5.7 55.99,5.7 56.34,5.35 60.18,5.35 60.79,5.96 63.2,5.96 v2(63.61,6.37) 66.53,6.37 66.91,5.99 67.93,5.99 68.31,6.37 69.07,6.37 69.74,5.7 70.13,5.7 70.13,5.7 70.46,5.7 71.51,6.75 72.25,6.75 73.3,5.7 73.9,5.7 74,5.8 v2(74.3,6.1)
  BOTTOM w0.109: U30.P3 53.12,7.3 52.31,6.5 51.85,6.5 51.72,6.37 51.72,6.2 51.83,6.1 v2(52.07,6.1) ; v2(74.3,6.1) 74.05,6.1 73.95,6.2 73.95,6.37 74.08,6.5 74.54,6.5 75.35,7.3 U24.P3
  BOTTOM w0.173: v2(63.61,6.37) 64.31,6.37 R11245.1
M_A_A3: length 70.7
  TOP w0.109: v2(73.5,7.7) 73.31,7.51 72.88,7.51 72.69,7.7 71.19,7.7 71.09,7.8 71.09,8 71.19,8.1 71.5,8.1 U27.N2 ; v2(51.27,7.7) 51.08,7.51 50.66,7.51 50.47,7.7 48.97,7.7 48.87,7.8 48.87,8 48.97,8.1 U37.N2
  TOP w0.173: v2(64.57,30.96) U3C1.H44
  L3_SIG1 w0.102: 63.23,27.83 63.23,27.95 63.22,27.97 63.22,30.39 63.23,30.41 63.23,30.47 63.36,30.6 63.8,30.6 64.16,30.96 v2(64.57,30.96)
  L3_SIG1 w0.157: 63.23,27.83 63.36,27.7 63.36,18.05 62.6,17.29 62.6,13.23 62.34,12.97 61.24,12.97 61.07,12.81 61.07,12.12 61.24,11.96 62.43,11.96 62.6,11.79 62.6,11.11 62.43,10.94 61.24,10.94 61.07,10.78 61.07,10.09 61.24,9.92 62.43,9.92 62.6,9.76 62.6,9.07 62.43,8.91 61.24,8.91 61.07,8.74 61.07,7.64 61.33,7.38 v2(61.96,7.38)
  L4_PWR1 w0.157: v2(51.27,7.7) 51.67,7.3 52.35,7.3 52.68,7.64 53.2,7.64 53.53,7.31 53.89,7.31 54.21,7.64 54.72,7.64 55.06,7.3 55.82,7.3 56.25,6.88 57.14,6.88 57.52,7.26 58.53,7.26 58.91,6.88 59.42,6.88 59.93,7.38 v2(61.96,7.38) 62.6,7.38 63.01,6.98 63.78,6.98 63.8,6.95 69.62,6.95 69.96,7.3 70.64,7.3 71.04,7.7 v2(73.5,7.7)
  BOTTOM w0.109: U24.N2 76.06,7.86 75.96,7.77 75.42,7.77 75,7.35 73.85,7.35 v2(73.5,7.7) ; v2(51.27,7.7) 51.63,7.35 52.78,7.35 53.2,7.77 53.74,7.77 53.82,7.85 U30.N2
  BOTTOM w0.173: v2(61.96,7.38) 61.26,7.38 R11246.1
M_A_A4: length 70.8
  TOP w0.109: v2(52.07,6.9) 52.35,6.62 52.82,6.62 53.1,6.9 54.37,6.9 54.47,7 54.47,7.2 54.37,7.3 U37.P8 ; U27.P8 76.59,7.3 76.69,7.2 76.69,7 76.59,6.9 75.32,6.9 75.04,6.62 74.58,6.62 v2(74.3,6.9)
  TOP w0.173: U3C1.H50 v2(65.56,27.95)
  L3_SIG1 w0.157: v2(65.56,27.95) 65.26,27.65 65.26,27.32 65.39,27.2 65.64,27.2 65.77,27.07 65.77,26.69 65.26,26.18 65.26,25.55 66.29,24.52 66.29,17.95 65.65,17.31 65.65,16.6 65.98,16.26 65.98,16.03 65.65,15.7 65.65,14.79 65.82,14.62 66.1,14.62 66.29,14.43 66.29,14.14 66.15,14 65.82,14 65.65,13.83 65.65,12.73 66.03,12.36 66.03,12.07 65.65,11.69 65.65,10.6 65.82,10.43 66.15,10.43 66.29,10.29 66.29,9.82 66.15,9.68 65.82,9.68 65.65,9.51 65.65,8.47 65.9,8.22 65.9,7.95 65.46,7.51 64.59,7.51 64.43,7.35 64.43,7.08 64.76,6.75 64.76,6.01 64.6,5.86 64.29,5.86 64.12,6.03 64.12,6.62 63.87,6.88 62.63,6.88 62.47,7.04 62.47,7.35 62.63,7.51 63.49,7.51 v2(63.61,7.38)
  L7_PWR2 w0.157: v2(74.3,6.9) 73.9,6.5 73.26,6.5 72.38,7.38 71.36,7.38 70.48,6.5 69.71,6.5 69.33,6.88 67.93,6.88 67.68,6.62 67.17,6.62 66.91,6.88 64.12,6.88 63.9,7.09 v2(63.61,7.38) 63.1,6.88 60.82,6.88 60.31,6.37 56.12,6.37 55.99,6.5 52.48,6.5 v2(52.07,6.9)
  BOTTOM w0.109: v2(74.3,6.9) 74.05,6.9 73.65,6.5 73.01,6.5 72.63,6.88 71.93,6.88 U24.P8 ; U30.P8 49.53,7.05 49.7,6.88 50.4,6.88 50.79,6.5 51.42,6.5 51.83,6.9 v2(52.07,6.9)
  BOTTOM w0.173: v2(63.61,7.38) 64.32,7.38 R11235.1
M_A_A5: length 71.8
  TOP w0.102: 65.5,25.19 65.37,25.31 U3C1.G53
  TOP w0.109: U37.P2 49.2,7.3 49.05,7.15 49.05,6.98 49.15,6.88 50.22,6.88 50.82,6.28 50.82,5.93 51,5.74 51.17,5.74 51.27,5.85 v2(51.27,6.1) ; U27.P2 71.93,6.88 72.44,6.88 73.04,6.28 73.04,5.93 73.23,5.74 73.4,5.74 73.5,5.85 v2(73.5,6.1)
  TOP w0.173: v2(61.96,5.35) 61.96,4.97 62.09,4.84 62.34,4.84 62.46,4.97 62.46,11.07 62.83,11.44 62.83,11.72 62.47,12.09 62.47,12.33 62.83,12.7 62.83,15.15 62.96,15.28 63.36,15.28 63.49,15.41 63.49,15.64 63.36,15.77 62.98,15.77 62.85,15.89 62.83,15.89 62.83,16.11 63,16.27 63.99,16.27 64.12,16.4 64.12,16.66 63.98,16.8 62.98,16.8 62.83,16.94 62.83,17.14 62.98,17.29 63.87,17.29 64.12,17.54 64.12,18.43 65.26,19.58 67.38,19.58 67.68,19.87 67.68,24.4 67.42,24.66 66.03,24.66 65.5,25.19
  L4_PWR1 w0.157: v2(73.5,6.1) 71.73,6.1 70.47,4.84 63.1,4.84 62.6,5.35 v2(61.96,5.35) 61.45,5.35 60.95,5.86 60.18,5.86 59.68,5.35 58.79,5.35 58.39,5.75 57.66,5.75 57.26,5.35 55.99,5.35 55.36,5.98 55.15,5.98 54.87,5.7 53.68,5.7 53.31,6.07 52.68,6.07 52.31,5.7 51.67,5.7 51.53,5.84 v2(51.27,6.1)
  BOTTOM w0.109: v2(51.27,6.1) 51.64,5.73 51.9,5.73 51.91,5.72 52.23,5.72 52.25,5.73 52.25,5.73 52.69,6.17 52.69,6.47 53.1,6.88 53.11,6.88 53.12,6.88 53.66,6.88 53.79,7.01 U30.P2 ; U24.P2 76.01,7.02 75.88,6.88 75.34,6.88 75.33,6.88 75.31,6.88 74.92,6.48 74.92,6.22 74.43,5.73 73.87,5.73 v2(73.5,6.1)
  BOTTOM w0.173: R11257.1 61.24,5.35 v2(61.96,5.35)
M_A_A6: length 75.2
  TOP w0.109: v2(51.27,3.7) 51.42,3.7 51.8,4.08 52.56,4.08 53.71,5.23 53.71,6.14 U37.R8 ; U27.R8 76.06,6.26 75.93,6.14 75.93,5.23 74.79,4.08 74.03,4.08 73.65,3.7 v2(73.5,3.7)
  TOP w0.173: v2(65.56,28.66) U3C1.H49
  L3_SIG1 w0.102: v2(65.56,28.66) 65.87,28.97 66.42,28.97 66.91,28.48
  L3_SIG1 w0.157: 66.91,28.48 67.8,27.59 67.8,6.5 64.01,2.7 v2(63.61,2.31)
  L4_PWR1 w0.157: v2(73.5,3.7) 73.13,3.33 72.48,2.69 72.12,2.69 71.99,2.81 71.99,3.07 71.87,3.19 71.61,3.19 71.49,3.07 71.49,2.56 71.24,2.31 70.85,2.31 70.35,2.81 69.96,2.81 69.46,2.31 69.19,2.31 68.69,2.81 68.31,2.81 67.81,2.31 67.42,2.31 66.91,2.81 66.53,2.81 66.03,2.31 65.64,2.31 65.14,2.81 64.76,2.81 64.25,2.31 63.62,2.31 v2(63.61,2.31) 63.61,2.3 62.64,2.3 62.13,2.81 52.94,2.81 52.45,3.3 51.67,3.3 v2(51.27,3.7)
  BOTTOM w0.109: v2(73.5,3.7) 73.14,4.06 73.14,4.34 72.88,4.59 72.61,4.59 72.49,4.71 72.49,4.98 72.26,5.22 71.98,5.22 71.87,5.33 71.87,5.99 71.74,6.11 71.36,6.11 71.23,6.24 71.23,6.4 71.33,6.5 U24.R8 ; v2(51.27,3.7) 50.91,4.06 50.91,4.34 50.66,4.59 50.39,4.59 50.27,4.71 50.27,4.98 50.03,5.22 49.76,5.22 49.64,5.33 49.64,5.99 49.52,6.11 49.13,6.11 49.01,6.24 49.01,6.4 49.11,6.5 U30.R8
  BOTTOM w0.173: R11233.1 64.31,2.31 v2(63.61,2.31)
M_A_A7: length 76.6
  TOP w0.109: v2(52.07,2.9) 51.66,3.32 51.15,3.32 49.64,4.83 49.64,6.14 49.49,6.28 U37.R2 ; U27.R2 71.87,6.13 71.87,4.83 73.38,3.32 73.88,3.32 v2(74.3,2.9)